# Altium PCB BaseBoard.PcbDoc (part 1 of 3)
Units mil, origin at the board's own origin, x right, y up, seen from the top; angles counter-clockwise.
Board outline 12520.21 x 6221 mil, 4 copper layers (Top Layer, GND, Power, Bottom Layer), stack 30.634 mil thick; 237 components, 165 nets, 882 pads, 366 vias.
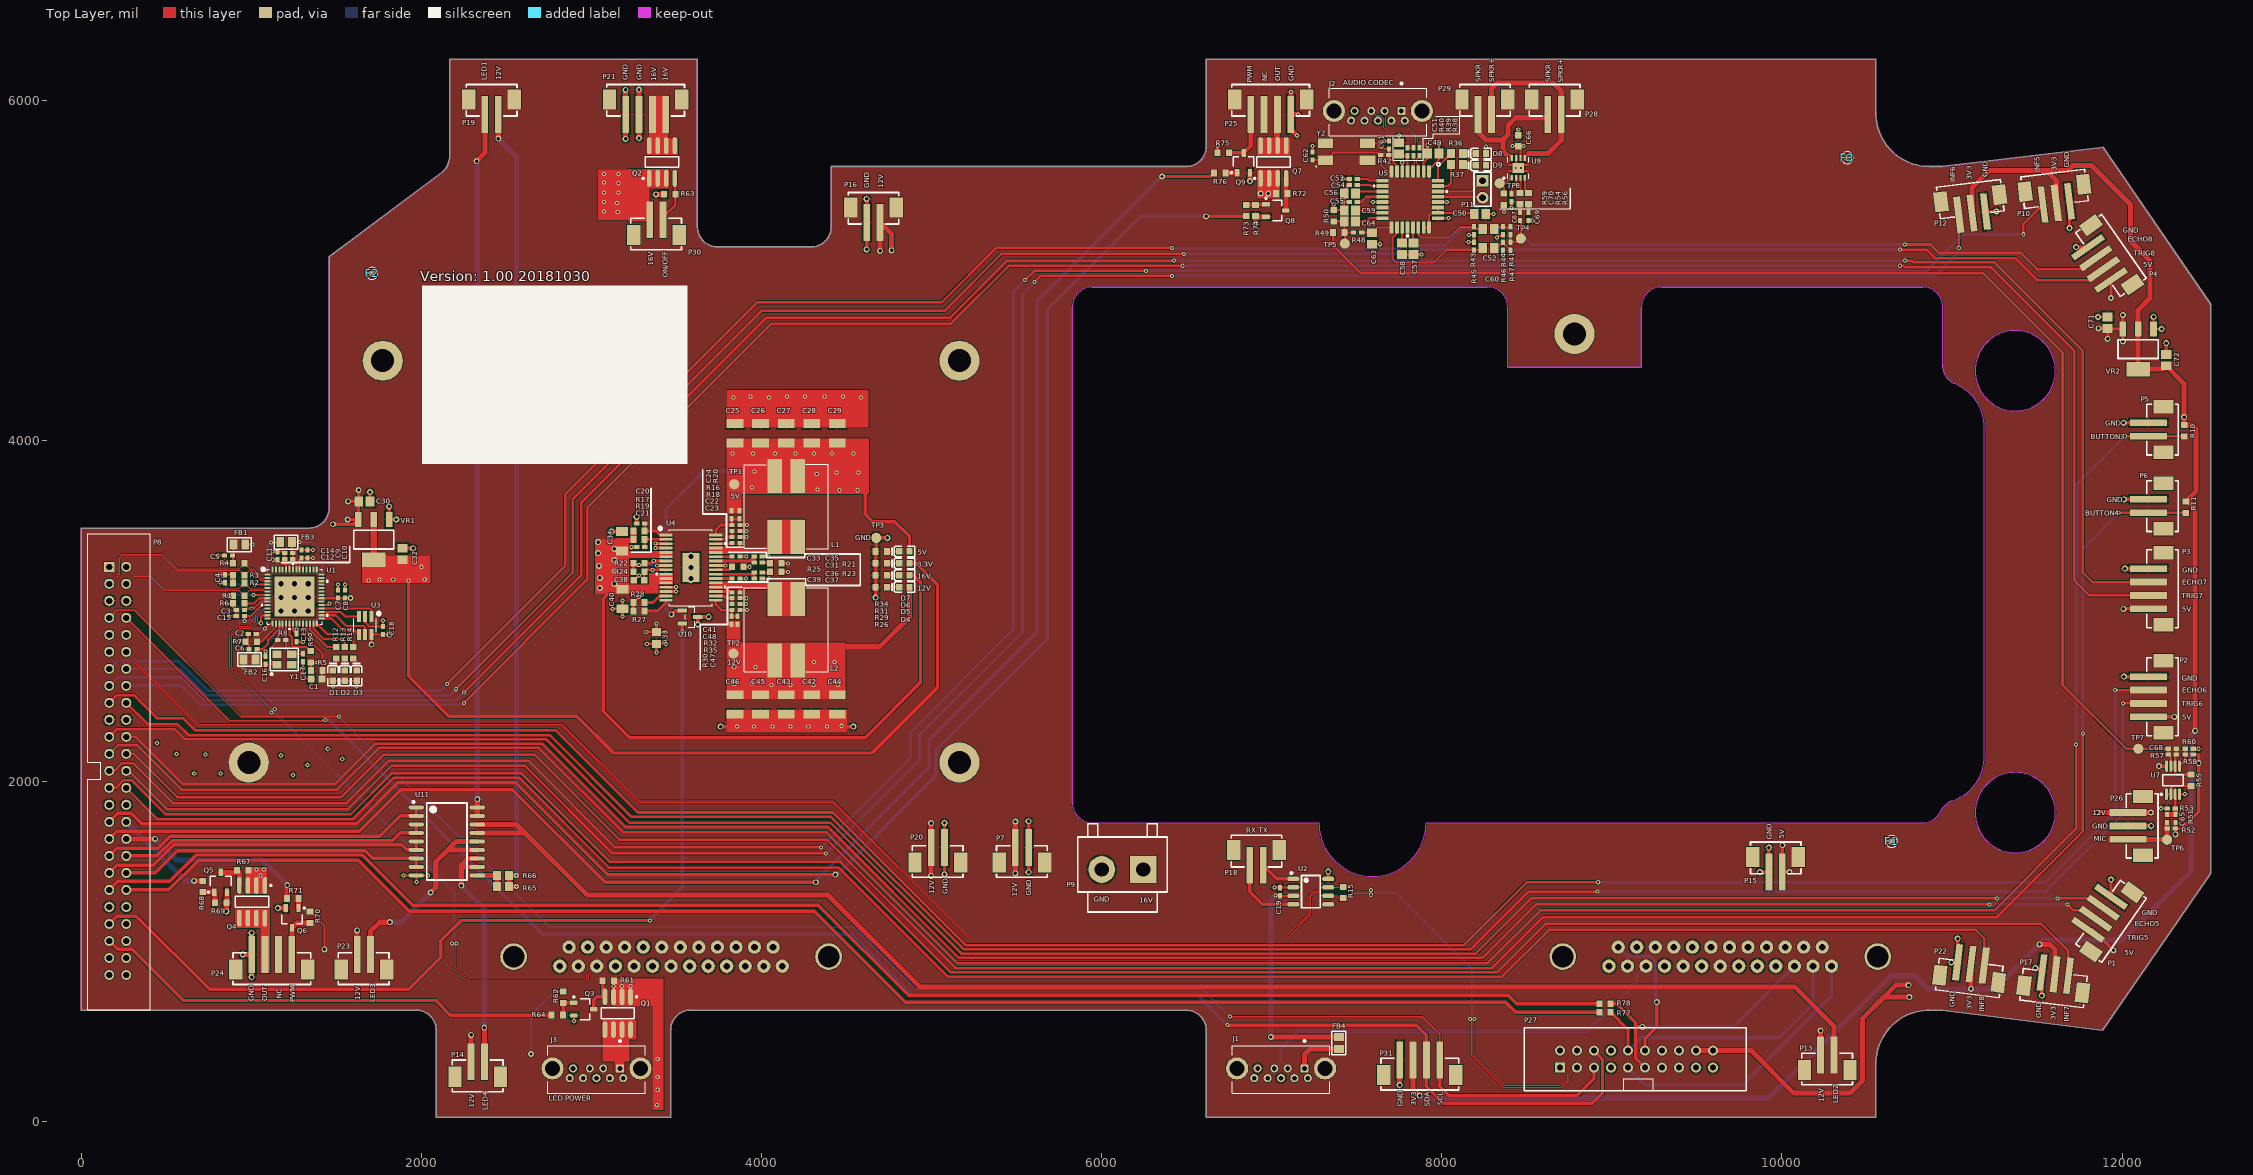
[diagram p0: Top Layer view]
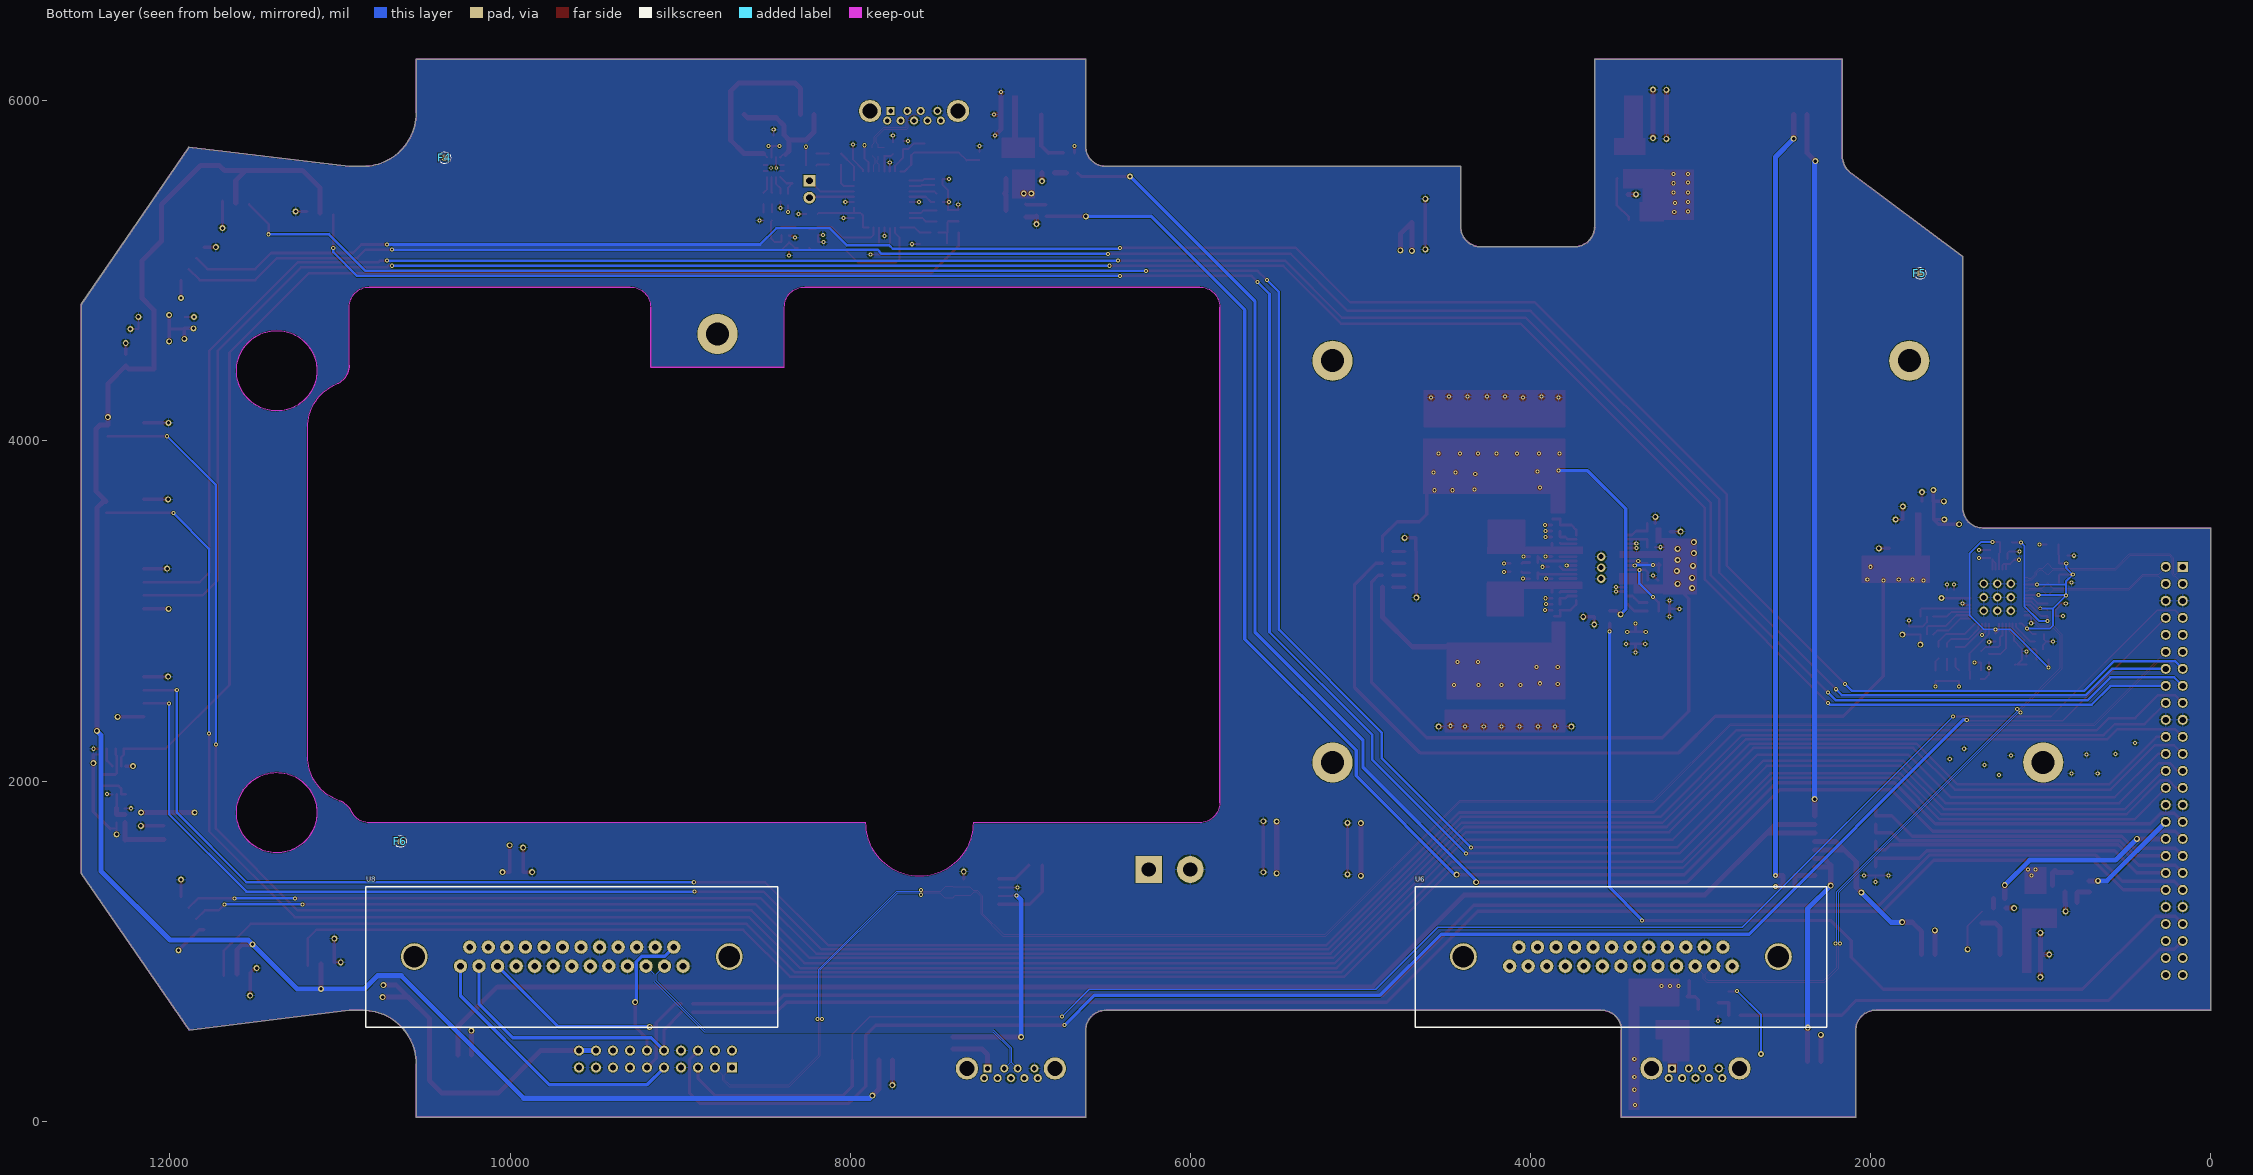
[diagram p1: Bottom Layer view, seen from below]
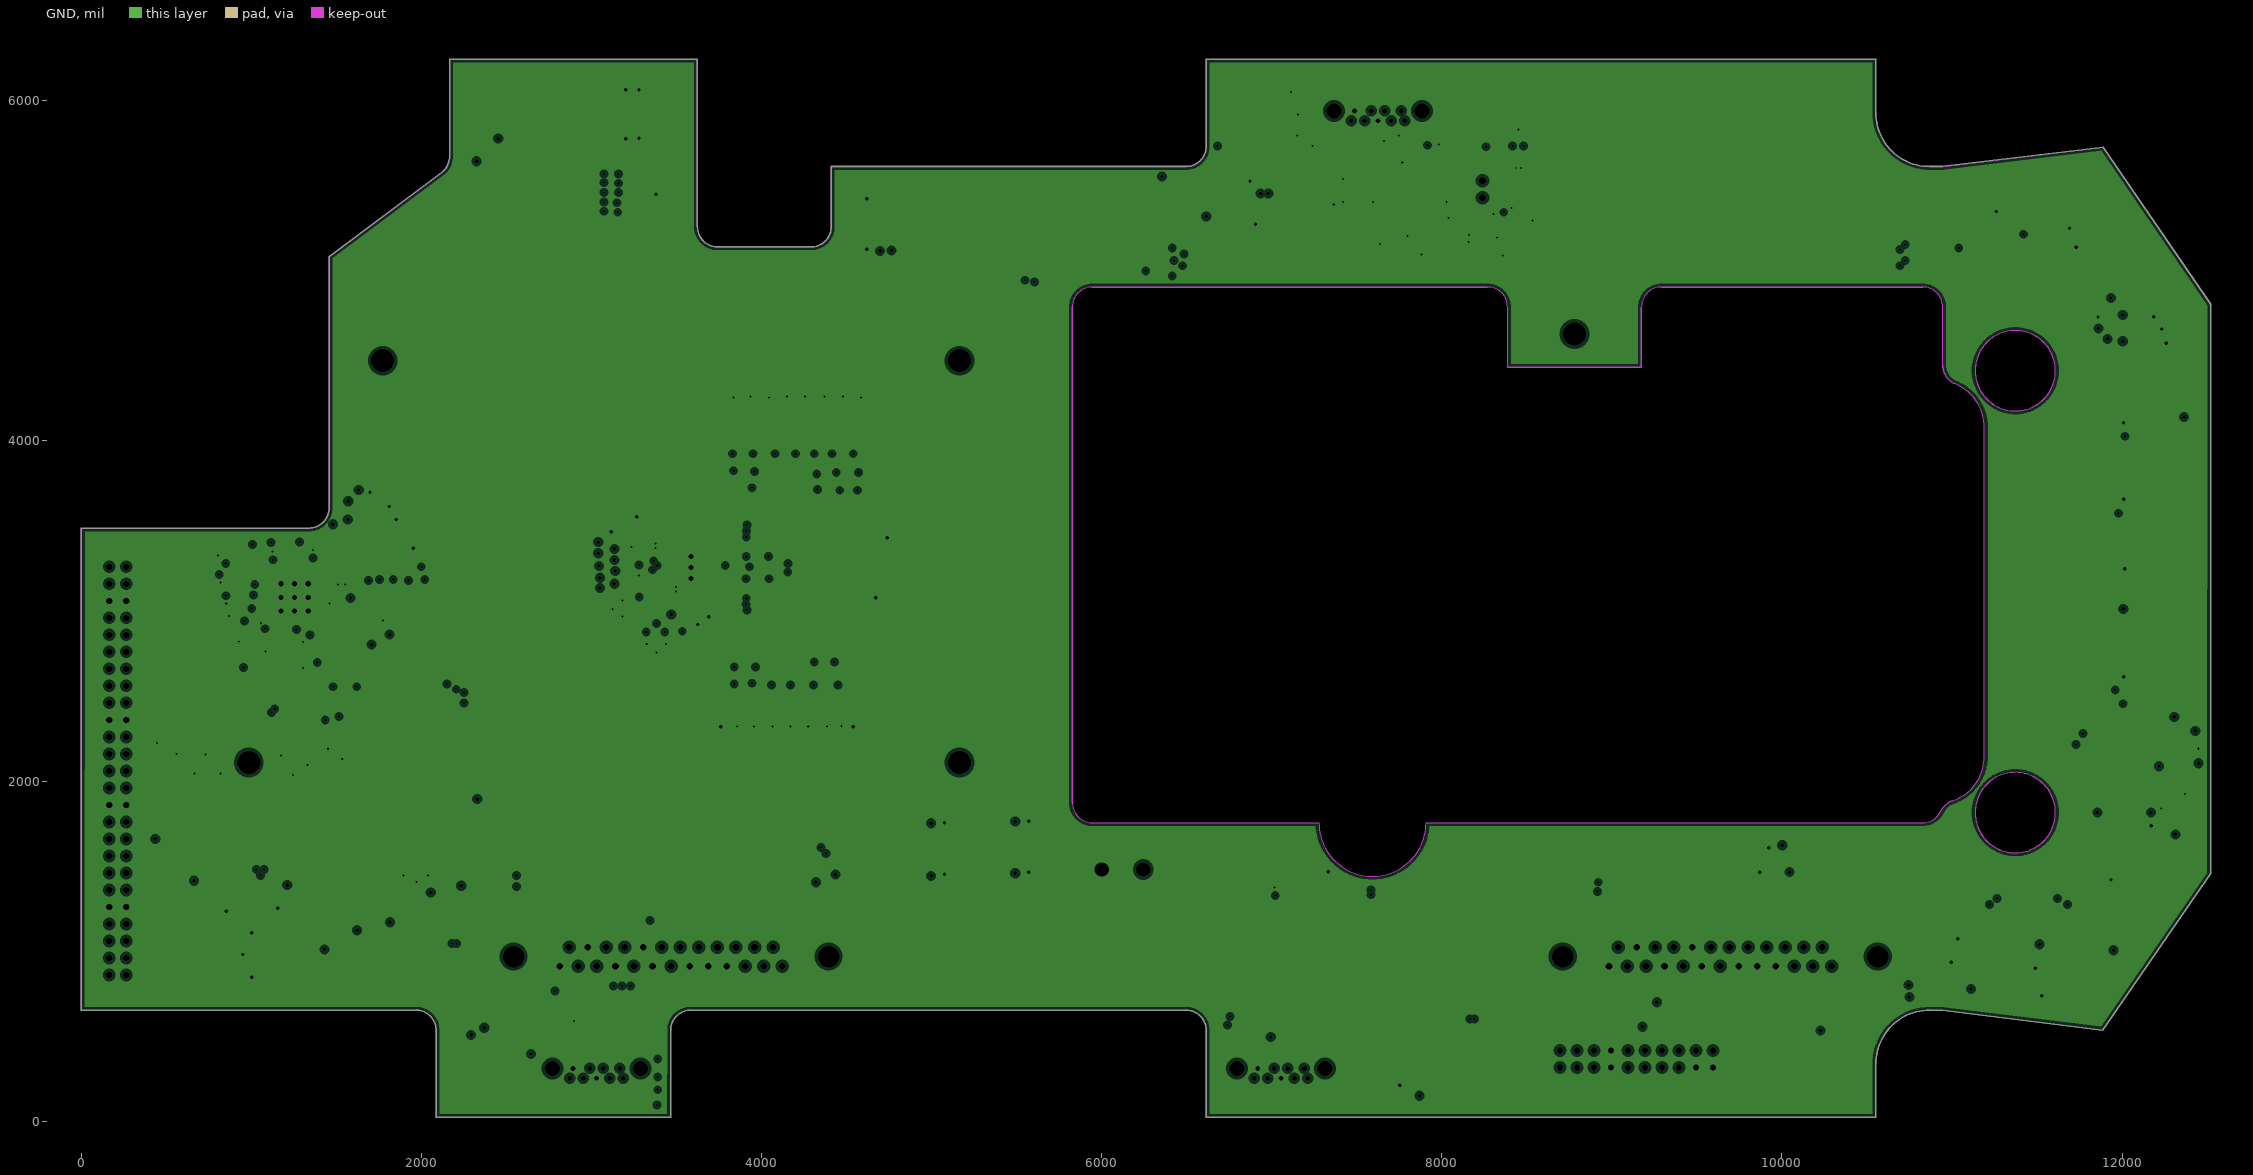
[diagram p2: GND, clearances drawn from the general rule]
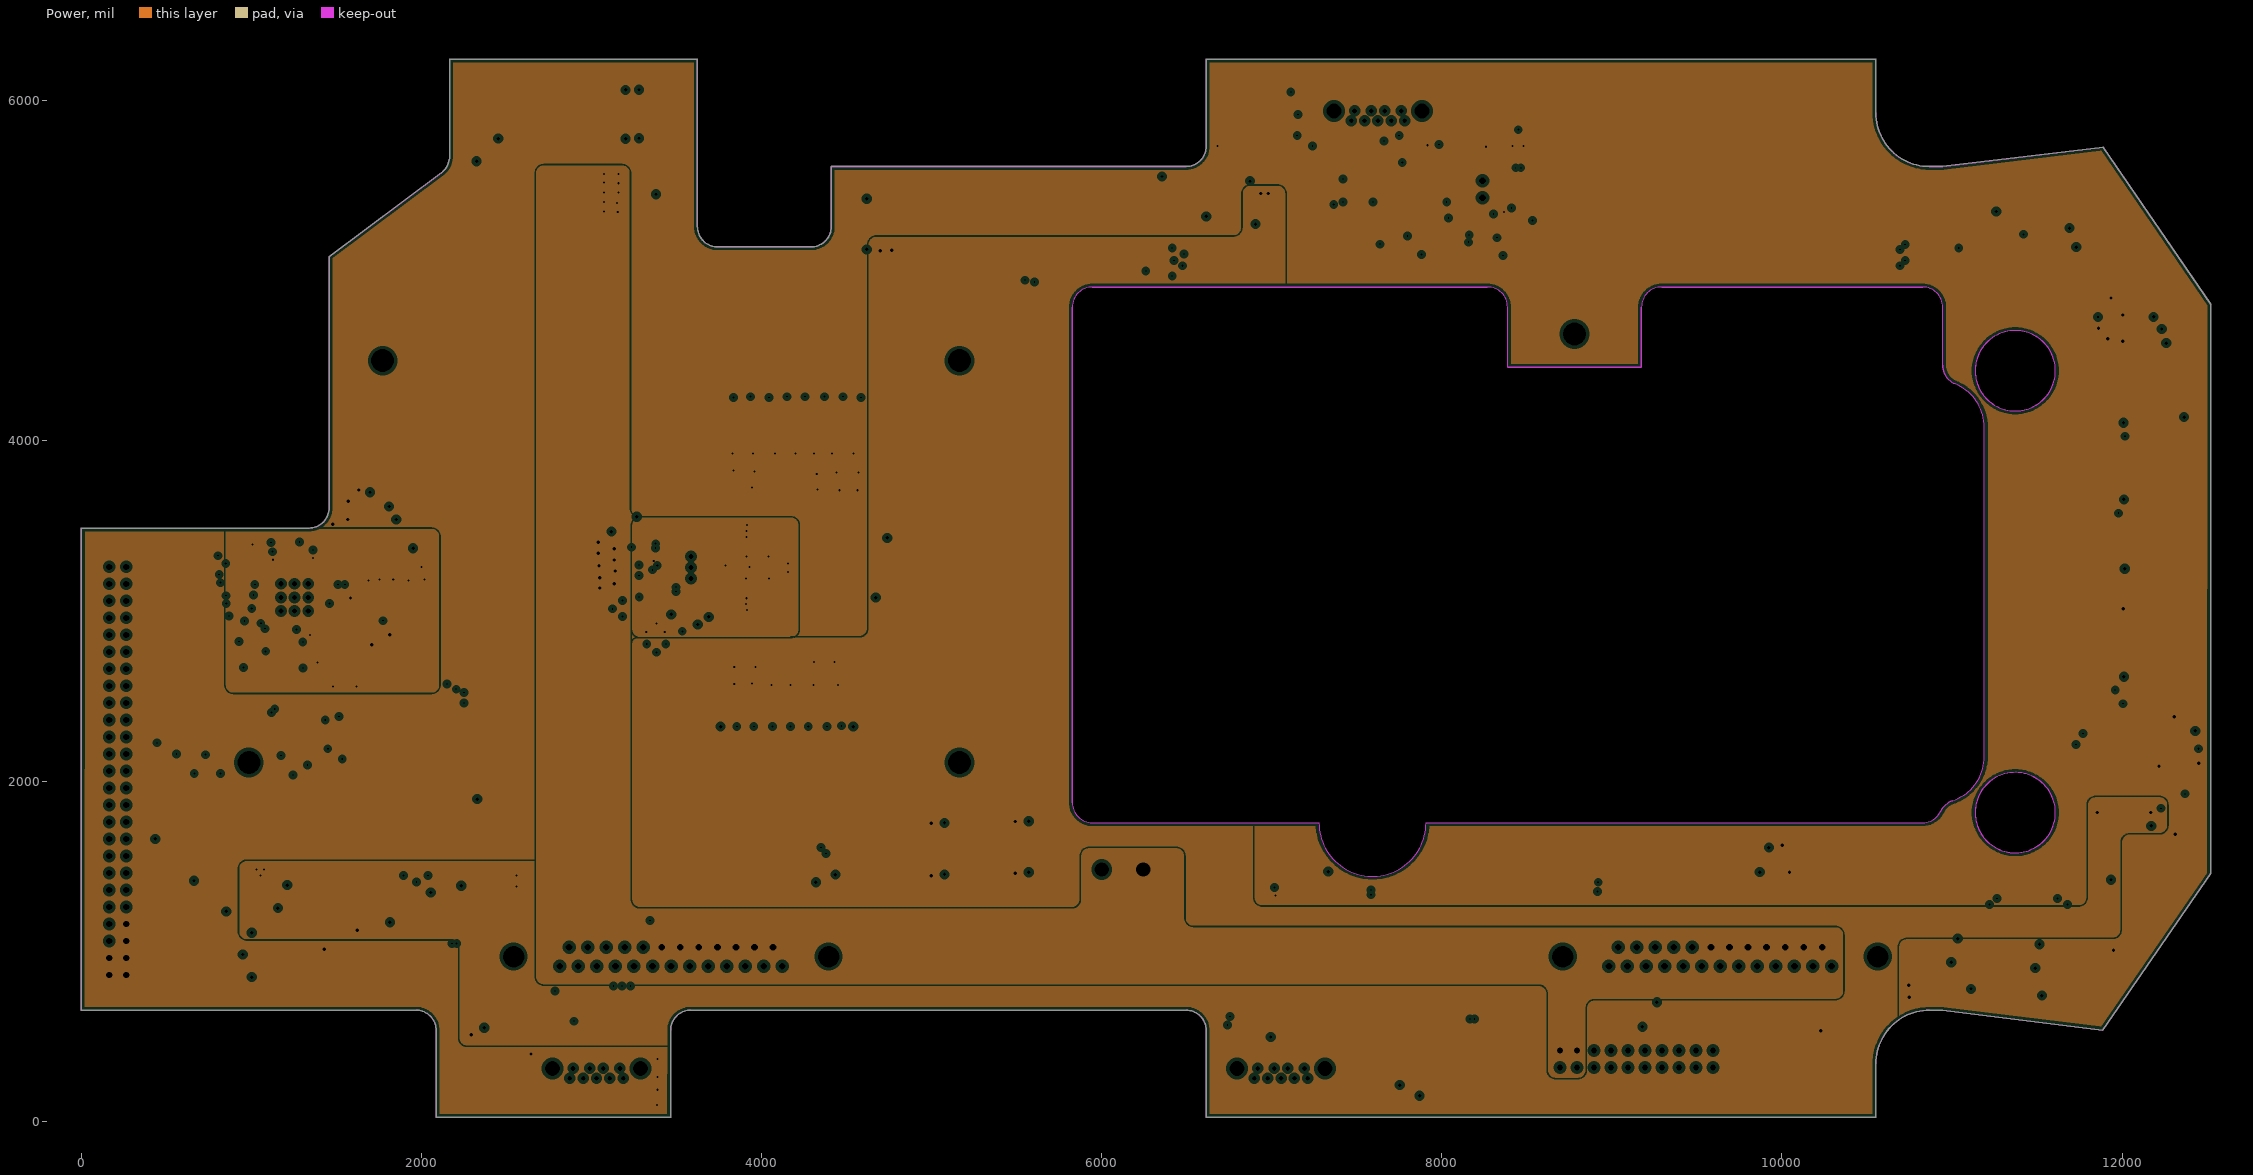
[diagram p3: Power, clearances drawn from the general rule]

## Layer stack, top to bottom
Top Solder: solder mask 0.4, Solder Resist, Dk 3.5
Top Layer: signal copper 1.4
Dielectric 1: core 10, FR-4, Dk 4.2
GND: plane copper 1.417, net GND
Dielectric 3: prepreg 5, Dk 4.2
Power: plane copper 1.417, net (Multiple Nets)
Dielectric 2: core 10, Dk 4.2
Bottom Layer: signal copper 1.4
Bottom Solder: solder mask 0.4, Solder Resist, Dk 3.5

## Board outline
1.2,652.58 cw(c1.2,652.85) 0.93,652.85 0.93,3487.49 cw(c1.2,3487.49) 1.2,3487.76 1339.78,3487.76 ccw(c1339.78,3605.6) 1457.63,3605.6 cw(c1457.89,3605.6) 1457.63,3605.61 1457.63,5081.98 cw(c1457.89,5081.98) 1457.73,5082.19 2119.15,5578.25 ccw(c2048.44,5672.53) 2166.29,5672.53 2166.29,6243.4 cw(c2166.55,6243.4) 2166.55,6243.66 3623.25,6243.66 cw(c3623.25,6243.4) 3623.51,6243.4 3623.51,5259.14 ccw(c3741.36,5259.14) 3741.36,5141.3 cw(c3741.36,5141.03) 3741.36,5141.3 4292.54,5141.3 ccw(c4292.54,5259.14) 4410.38,5259.14 4410.38,5613.48 cw(c4410.65,5613.48) 4410.65,5613.74 6497.26,5613.74 ccw(c6497.26,5731.59) 6615.11,5731.59 6615.11,6243.4 cw(c6615.37,6243.4) 6615.37,6243.66 10552.38,6243.66 cw(c10552.38,6243.4) 10552.65,6243.4 10552.65,5928.44 cw(c10552.38,5928.44) 10552.65,5928.43 ccw(c10867.34,5928.44) 10867.34,5613.74 cw(c10867.34,5613.48) 10867.34,5613.74 ccw(c10867.34,5613.48) 10867.34,5613.74 10946.07,5613.74 11888.66,5726.61 11888.67,5726.62 ccw(c11888.69,5726.35) 11888.66,5726.61 11888.67,5726.62 cw(c11888.69,5726.35) 11888.91,5726.5 12521.1,4803.69 cw(c12520.88,4803.54) 12521.15,4803.54 12521.15,1457.09 cw(c12520.88,1457.09) 12521.1,1456.94 11886.28,535.94 cw(c11886.06,536.09) 11886.02,535.83 10946.06,652.58 10867.34,652.58 ccw(c10867.34,652.85) 10867.34,652.58 cw(c10867.34,652.85) 10867.34,652.58 ccw(c10867.34,337.88) 10552.65,337.89 ccw(c10867.34,337.88) 10552.65,337.88 10552.65,22.92 cw(c10552.38,22.92) 10552.38,22.66 6615.37,22.66 cw(c6615.37,22.92) 6615.11,22.92 6615.11,534.73 ccw(c6615.37,534.73) 6615.11,534.73 cw(c6615.37,534.73) 6615.11,534.73 ccw(c6497.26,534.73) 6497.26,652.58 3583.88,652.58 ccw(c3583.88,534.73) 3466.03,534.73 cw(c3465.77,534.73) 3466.03,534.73 ccw(c3465.77,534.73) 3466.03,534.73 3466.03,22.92 cw(c3465.77,22.92) 3465.77,22.66 2087.81,22.66 cw(c2087.81,22.92) 2087.55,22.92 2087.55,534.73 ccw(c2087.81,534.73) 2087.55,534.73 ccw(c1969.7,534.73) 1969.7,652.58
cut-out: 11136.24,4412.69 ccw(c11372.46,4412.69) 11372.46,4176.47 ccw(c11372.46,4412.69) 11608.68,4412.69 ccw(c11372.46,4412.69) 11372.46,4648.91 ccw(c11372.46,4412.69)
cut-out: 5946.08,1755.21 7277.97,1755.21 ccw(c7592.93,1755.21) 7907.89,1755.21 10827.99,1755.21 ccw(c10827.99,1873.32) 10934.78,1822.88 cw(c11041.58,1772.44) 11003.72,1884.32 ccw(c10915.37,2145.36) 11190.96,2143.65 11190.96,4081.33 ccw(c10915.37,4079.62) 11019.55,4334.76 cw(c11064.19,4444.11) 10946.08,4444.11 10946.08,4786.7 ccw(c10827.97,4786.7) 10827.97,4904.81 9292.54,4904.81 ccw(c9292.54,4786.7) 9174.43,4786.7 9174.43,4432.37 8387.03,4432.37 8387.03,4786.7 ccw(c8268.92,4786.7) 8268.92,4904.81 5946.08,4904.81 ccw(c5946.08,4786.7) 5827.97,4786.7 5827.97,1873.32 ccw(c5946.08,1873.32)
cut-out: 11136.24,1814.26 ccw(c11372.46,1814.26) 11372.46,1578.04 ccw(c11372.46,1814.26) 11608.68,1814.26 ccw(c11372.46,1814.26) 11372.46,2050.48 ccw(c11372.46,1814.26)

## Design rules (kind name [scope] priority, off if disabled: settings)
Clearance Clearance_1 [All] p1: gap=3 ignorepadtopadclearanceinfootprint=FALSE
Clearance [All] p2: gap=3 ignorepadtopadclearanceinfootprint=FALSE except(5: Arc-Arc Arc-Track Track-Track)
DiffPairsRouting 90 [InDifferentialPair('AUDIO_USB')or InDifferentialPair('USB')or InDifferentialPair('USB0')or InDifferentialPair('~AUDIO_USB')] p1: maxlimit=4 minlimit=4 mostfreqgap=4 toplayer_minwidth=6.98 toplayer_maxwidth=6.98 toplayer_prefwidth=6.98 bottomlayer_minwidth=6.98 bottomlayer_maxwidth=6.98 bottomlayer_prefwidth=6.98 maxuncoupledlength=500
DiffPairsRouting 100 [InDifferentialPair('RX')or InDifferentialPair('TX')] p2: maxlimit=4 minlimit=4 mostfreqgap=4 toplayer_minwidth=4.96 toplayer_maxwidth=4.96 toplayer_prefwidth=4.96 bottomlayer_minwidth=4.96 bottomlayer_maxwidth=4.96 bottomlayer_prefwidth=4.96 maxuncoupledlength=500
DiffPairsRouting 120 [InDifferentialPair('CAN')] p3: maxlimit=6 minlimit=6 mostfreqgap=6 toplayer_minwidth=3.98 toplayer_maxwidth=3.98 toplayer_prefwidth=3.98 bottomlayer_minwidth=3.98 bottomlayer_maxwidth=3.98 bottomlayer_prefwidth=3.98 maxuncoupledlength=500
HoleSize [All] p1: absolutevalues=TRUE maxlimit=300 minlimit=1 maxpercent=80.000 minpercent=20.000
MinimumSolderMaskSliver [All] p1: minsoldermaskwidth=0
PlaneClearance [All] p1: clearance=20
PlaneConnect [All] p1: planeconnectstyle=Relief reliefexpansion=20 reliefentries=4 reliefconductorwidth=10 reliefairgap=10
PolygonConnect [All] p1: connectstyle=Relief reliefconductorwidth=10 reliefentries=4 polygonreliefangle="90 Angle" airgapwidth=10
RoutingVias [All] p1: holewidth=12 width=24 viastyle="Through Hole" minholewidth=10 minwidth=20 maxholewidth=200 maxwidth=300
SilkToSilkClearance [All] p1: silktosilkclearance=1
SilkToSolderMaskClearance [IsPad] p1 off: minsilkscreentomaskgap=1 clearancetoexposedcopper=TRUE
SolderMaskExpansion [All] p1: expansion=4
Width [All] p1: maxlimit=200 minlimit=3 preferedwidth=10
23 further rules are at their usual default settings.

## Classes and differential pairs
differential pair USB0: +USB0_P -USB0_N
differential pair RX: +RX_P -RX_N
differential pair TX: +TX_P -TX_N
differential pair USB: +USB_P -USB_N
differential pair AUDIO_USB: +AUDIO_USB_P -AUDIO_USB_N
differential pair ~AUDIO_USB: +~AUDIO_USB_P -~AUDIO_USB_N
differential pair CAN: +CAN_P -CAN_N
